# Allegro board 038RT-9068CJK8E-A100_0921.brd (continued)
## Routing (per net, layer and track width the routed paths; a pad name or vN(x,y) marks a point on that pad's centre or on a via; arc(x,y) is an arc through that point) (continued)
S3_MCT_RC: length 8.9
  L03_SIGNAL w0.145: v2(628.37,328.71) 628.7,328.37 v2(630.59,328.37) 631.15,328.93 636.06,328.93 v2(636.62,328.37)
S3_NGATE:
  vias: v1(401.3,269.42)
S3_OE_K144: length 17.3
  BOTTOM w0.115: UNK3K144.10 643.1,272.28 642.61,272.77 640.75,272.77 UNK3RL18.1 639.43,272.46 639.43,268.05 640.88,266.6 643.87,266.6 644.93,267.66 UNK3K144.1
S3_OE_K145: length 9.5
  L42_SIGNAL w0.203: v1(663.52,282.66) 664.7,281.48 664.7,280.79 v1(666.73,278.76)
  BOTTOM w0.115: UNK3K145.1 v1(663.52,282.66) ; UNK3K145.10 664.65,277.63 665.31,278.29 665.95,278.29 666.42,278.76 v1(666.73,278.76)
S3_OE_K184: length 14.2
  BOTTOM w0.115: UNK3K184.1 550.9,247.66 550,246.76 548.65,246.76 546.71,248.7 UNK3RL21.1 547.35,252.3 550,252.3 550.13,252.16 UNK3K184.10
S3_OE_K213: length 15.4
  BOTTOM w0.115: UNK3K213.1 442.79,249.12 441.89,248.21 440.11,248.21 438.17,250.15 438.17,252.86 UNK3RL42.1 438.55,253.75 441.88,253.75 442.02,253.62 UNK3K213.10
S3_OE_K214: length 14.1
  BOTTOM w0.115: UNK3K214.1 465,249.12 464.1,248.21 462.75,248.21 460.81,250.15 460.81,252.96 UNK3RL44.1 461.6,253.75 464.1,253.75 464.23,253.62 UNK3K214.10
S3_OE_K217: length 8.3
  BOTTOM w0.115: UNK3K217.10 549.96,268.32 549.74,268.09 549.74,267.46 549.35,267.07 UNK3RL39.1 549.08,265.2 550.47,263.82 UNK3K217.1
S3_P0_LDOOUT:
  vias: v1(402.9,267.82) v1(403.7,267.82)
S3_P0_LED: length 20.5
  L05_SIGNAL w0.102: v1(409.3,267.82) 409.7,267.42 412.92,267.42
  L05_SIGNAL w0.105: v1(428.89,269.07) 417.38,269.07 415.64,267.33 413.01,267.33 412.92,267.42
S3_P0_MDI+: length 28.8
  TOP w0.105: UNK3K60.3 379.01,264.93 379.12,264.83 381.87,264.83 383.45,266.41 383.45,269.93 385.87,272.36 395.26,272.36 397.45,274.55 399.05,274.55 399.53,274.06 399.53,273.59 SITE3.A3
S3_P0_MDI-: length 28.8
  TOP w0.105: UNK3K60.6 379.01,264.26 379.12,264.36 382.06,264.36 383.91,266.22 383.91,266.51 384.04,266.63 384.13,266.63 384.25,266.76 384.25,266.93 384.13,267.05 384.04,267.05 383.91,267.18 383.91,267.35 384.04,267.47 384.13,267.47 384.25,267.6 384.25,267.77 384.13,267.89 384.04,267.89 383.91,268.02 383.91,269.74 386.06,271.89 395.45,271.89 397.64,274.08 398.85,274.08 399.06,273.87 399.06,273.59 SITE3.A2
S3_P0_RXC: length 168.2
  L13_SIGNAL w0.102: 399.35,273.84 398.5,272.98 398.5,269.02 v1(398.1,268.62)
  L13_SIGNAL w0.105: v1(525.6,269.05) 525.73,269.05 526.83,267.95 526.83,260.59 526.29,260.06 523.64,260.06 523.03,260.67 523.03,264.05 522.27,264.8 512.46,264.8 511.68,264.02 511.68,261.13 510.91,260.37 508.67,260.37 508.07,260.96 508.07,263.12 506.55,264.65 492.51,264.65 491.17,265.98 471.38,265.98 449.74,287.62 420.92,287.62 411.52,278.22 403.73,278.22 399.35,273.84
S3_P0_RXD0: length 164.1
  L13_SIGNAL w0.102: 397.85,265.82 398.5,265.82 v1(398.9,266.22)
  L13_SIGNAL w0.105: v1(525.6,261.32) 524.36,262.56 524.36,266.17 522.85,267.68 510.52,267.68 509.87,268.33 507.83,268.33 507.31,268.85 494.58,268.85 493.82,269.6 481.14,269.6 459.42,291.32 420.26,291.32 416.93,287.99 406.21,287.99 395.64,277.42 395.64,267.85 397.67,265.82 397.85,265.82
S3_P0_RXD1: length 138.9
  L13_SIGNAL w0.105: v1(398.1,266.22) 396.23,268.09 396.23,275.2 401.47,280.44 410.67,280.44 420.35,290.12 451.41,290.12 469.62,271.91 471.01,271.91 473.98,268.95 493.55,268.95 494.23,268.26 507.07,268.26 507.81,267.53 v1(509.84,267.53)
S3_P0_RXD2: length 164.4
  L13_SIGNAL w0.102: v1(398.9,267.02) 399.3,266.62 399.3,265.15 399.17,265.02 397.83,265.02
  L13_SIGNAL w0.105: 397.83,265.02 397.24,265.02 395.07,267.2 395.07,277.98 405.83,288.75 416.75,288.75 419.93,291.93 459.98,291.93 480.77,271.14 509.09,271.14 511.82,268.4 522.98,268.4 523.85,267.53 v1(525.6,267.53)
S3_P0_RXD3: length 172.6
  L13_SIGNAL w0.105: v1(398.1,267.02) 396.81,268.3 396.81,273.81 402.62,279.62 410.89,279.62 420.79,289.52 450.56,289.52 469.26,270.82 470.8,270.82 473.33,268.29 493.2,268.29 493.8,267.68 506.83,267.68 509.1,265.42 522.58,265.42 523.61,264.39 523.61,261.1 524,260.71 526.12,260.71 526.25,260.84 526.25,267.68 525.1,268.82 525.1,269.68 526.03,270.61 526.03,274.83 v1(525.6,275.26)
S3_P0_RXDV: length 170.5
  L13_SIGNAL w0.102: v1(398.9,267.82) 399.3,267.42 399.99,267.42 400.1,267.31 400.1,264.43 399.89,264.22 397.83,264.22
  L13_SIGNAL w0.105: v1(525.6,273.73) 523.07,271.2 510.06,271.2 509.47,271.8 481.42,271.8 460.72,292.5 419.49,292.5 416.4,289.41 405.34,289.41 394.4,278.47 394.4,277.13 393.48,276.21 393.48,272.94 394.37,272.05 394.37,266.8 396.96,264.22 397.83,264.22
S3_P0_RXER: length 136.2
  L13_SIGNAL w0.102: 397.69,273.84 397.68,273.83 ; 397.68,269.7 397.7,269.68 397.7,268.22 v1(398.1,267.82)
  L13_SIGNAL w0.105: v1(509.84,261.32) 509.26,261.9 509.26,262.93 506.99,265.21 492.88,265.21 491.45,266.64 473.62,266.64 470.46,269.79 468.52,269.79 450.04,288.28 420.68,288.28 411.28,278.88 402.72,278.88 397.69,273.84 ; 397.68,273.83 397.52,273.67 397.52,269.86 397.68,269.7
S3_P0_TESTD: length 132.9
  L07_SIGNAL w0.102: v1(398.9,268.62) 398.5,269.02 398.5,272.96 399.37,273.84
  L07_SIGNAL w0.105: v1(509.84,269.05) 507.78,271.11 481.87,271.11 461.36,291.62 423.29,291.62 407.84,276.17 401.71,276.17 399.37,273.84
S3_P0_TXC: length 139.2
  L11_SIGNAL w0.102: v1(398.9,270.22) 398.5,269.82 398.5,269.11 398.41,269.02 397.85,269.02
  L11_SIGNAL w0.105: 397.85,269.02 397.78,268.95 397,268.95 395.66,270.28 395.66,275.12 399.58,279.03 402.53,279.03 413.54,290.04 481.6,290.04 493.8,277.85 508.85,277.85 510.66,276.05 510.66,274.55 v1(509.84,273.73)
S3_P0_TXD0: length 113.8
  L11_SIGNAL w0.102: v1(398.9,271.02) 398.5,270.62 397.85,270.62
  L11_SIGNAL w0.105: v1(494.08,273.73) 493.69,274.13 482.85,274.13 469.14,287.84 418.75,287.84 415.91,284.99 410.72,284.99 402.42,276.7 399.81,276.7 396.87,273.76 396.87,271.27 397.52,270.62 397.85,270.62
S3_P0_TXD1: length 122.6
  L11_SIGNAL w0.105: v1(398.1,271.02) 397.49,271.63 397.49,273.59 399.11,275.21 401.87,275.21 404.31,277.65 425.66,277.65 427.94,279.94 472.61,279.94 480.73,271.82 506.41,271.82 v1(509.84,275.26)
S3_P0_TXD2: length 138.4
  L11_SIGNAL w0.102: 399.68,273.84 399.3,273.46 399.3,272.22 v1(398.9,271.82)
  L11_SIGNAL w0.105: v1(525.6,262.84) 524.91,262.15 496.99,262.15 495.57,263.58 495.57,265.56 491.68,269.44 480.92,269.44 471.88,278.48 469.2,278.48 468.44,277.73 428.25,277.73 426.68,276.15 405.23,276.15 403.13,274.05 399.89,274.05 399.68,273.84
S3_P0_TXD3: length 124.1
  L11_SIGNAL w0.102: 398.8,273.84 398.5,273.54 398.5,272.22 v1(398.1,271.82)
  L11_SIGNAL w0.105: v1(509.84,262.84) 509.71,262.71 497.55,262.71 496.35,263.91 496.35,266.58 491.67,271.26 480.2,271.26 472.19,279.26 428.33,279.26 426.11,277.04 404.67,277.04 402.24,274.61 399.56,274.61 398.8,273.84
S3_P0_TXEN: length 115.9
  L11_SIGNAL w0.105: v1(494.08,275.26) 493.09,275.26 479.01,289.34 413.74,289.34 401.76,277.36 398.75,277.36 396.22,274.84 396.22,271.1 397.37,269.95 397.83,269.95 v1(398.1,270.22)
S3_P0_VDDIO: length 0.8
  BOTTOM w0.508: UNK3CD138.1 397.32,272.62 v1(398.1,272.62)
  vias: v1(393.96,275.23) v1(394.6,275.23) v1(398.1,269.42) v1(398.9,269.42)
S3_P1_LDOOUT:
  vias: v1(407.7,266.22) v1(407.7,265.42)
S3_P1_LED: length 22.8
  L03_SIGNAL w0.102: 412.92,266.62 410.5,266.62 v1(410.1,267.02)
  L03_SIGNAL w0.145: v1(432.06,266.53) 431.2,267.38 427.58,267.38 427.16,266.96 414.98,266.96 414.63,266.62 412.92,266.62
S3_P1_MDI+: length 67.1
  L03_SIGNAL w0.136: v1(400.5,272.62) 400.32,272.79 400.32,273.45 399.17,274.6 397.07,274.6 395.02,272.55 388.31,272.55 387.71,271.96 385.49,271.96 381.96,268.43 346.61,268.43 345.79,267.61 345.79,265.09 346.51,264.37 349.86,264.37 350,264.23 UNK3K64.3
S3_P1_MDI-: length 67.1
  L03_SIGNAL w0.136: v1(399.7,272.62) 399.87,272.79 399.87,273.26 398.98,274.15 397.26,274.15 395.21,272.1 394.82,272.1 394.66,271.94 394.66,271.7 394.5,271.54 394.28,271.54 394.12,271.7 394.12,271.94 393.96,272.1 393.73,272.1 393.58,271.94 393.58,271.7 393.42,271.54 393.19,271.54 393.03,271.7 393.03,271.94 392.87,272.1 392.65,272.1 392.49,271.94 392.49,271.7 392.33,271.54 392.1,271.54 391.94,271.7 391.94,271.94 391.79,272.1 388.5,272.1 387.9,271.5 385.67,271.5 382.15,267.98 346.8,267.98 346.25,267.43 346.25,265.28 346.7,264.82 349.86,264.82 350,264.96 UNK3K64.6
S3_P1_RXC: length 47.2
  L07_SIGNAL w0.102: v1(411.7,262.22) 412.1,262.62 412.1,262.62 412.9,262.62 412.92,262.64
  L07_SIGNAL w0.105: v1(440.02,284.7) 442.61,282.1 442.61,278.25 441.7,277.33 441.62,277.33 441.35,277.06 441.35,276.98 437.31,272.95 428.15,272.95 424.19,268.99 418.15,268.99 417.15,267.98 417.15,265.42 414.36,262.64 412.92,262.64
  BOTTOM w0.115: UNK3RR534.1 v1(440.02,284.7) UNK3RR524.1
S3_P1_RXD0: length 52.7
  L07_SIGNAL w0.102: v1(411.7,264.62) 410.5,265.82 410.5,273.84
  L07_SIGNAL w0.105: 410.5,273.84 411.49,274.83 423.42,274.83 429.59,281 429.59,283.79 433.38,287.59 437.54,287.59 438.36,286.76 438.36,284.38 439.49,283.26 439.49,282.22 440.02,281.7 v1(440.02,280.64)
  BOTTOM w0.115: UNK3RR530.1 v1(440.02,280.64) UNK3RR520.1
S3_P1_RXD1: length 42.3
  L07_SIGNAL w0.105: v1(436.21,284.7) 435.71,284.21 435.71,282.31 435.98,282.04 437.51,282.04 438.44,281.11 438.44,277.38 437.12,276.05 428.9,276.05 423.32,270.47 417.74,270.47 415.33,268.07 415.33,266.61 413.34,264.62 v1(412.5,264.62)
  BOTTOM w0.115: UNK3RR531.1 v1(436.21,284.7) UNK3RR521.1
S3_P1_RXD2: length 60.2
  L07_SIGNAL w0.102: v1(411.7,263.82) 411.3,264.22 409.82,264.22 409.7,264.34 409.7,273.84
  L07_SIGNAL w0.105: v1(440.02,278.61) 440.57,279.16 440.57,282.99 439.46,284.1 439.46,287.35 438.66,288.14 431.66,288.14 428.89,285.37 428.89,281.42 423.02,275.55 411.19,275.55 409.7,274.06 409.7,273.84
  BOTTOM w0.115: UNK3RR532.1 v1(440.02,278.61) UNK3RR522.1
S3_P1_RXD3: length 42.9
  L07_SIGNAL w0.105: v1(436.21,282.67) 436.71,283.17 437.57,283.17 439.45,281.3 439.45,275.86 437.21,273.63 427.35,273.63 423.52,269.8 418.12,269.8 415.89,267.58 415.89,266.38 413.5,263.98 412.66,263.98 v1(412.5,263.82)
  BOTTOM w0.115: UNK3RR523.1 v1(436.21,282.67) UNK3RR533.1
S3_P1_RXDV: length 55.5
  L07_SIGNAL w0.102: v1(411.7,263.02) 411.3,263.42 409.13,263.42 408.9,263.66 408.9,273.84
  L07_SIGNAL w0.105: 408.9,273.84 408.9,274.41 410.82,276.33 422.52,276.33 428.14,281.94 428.14,285.71 431.65,289.23 438.44,289.23 440.02,287.66 v1(440.02,286.73)
  BOTTOM w0.115: UNK3RR535.1 v1(440.02,286.73) UNK3RR525.1
S3_P1_TXC: length 187
  L11_SIGNAL w0.105: v1(586.33,241.7) 584.46,239.83 583.21,239.83 582.82,239.43 559.65,239.43 555.76,243.32 543.07,243.32 536.55,249.85 493.33,249.85 486.87,256.31 484.24,256.31 476.1,264.46 428.26,264.46 428.03,264.23 416.28,264.23 413.47,261.42 v1(412.5,261.42)
  BOTTOM w0.115: UNK3RR514.1 v1(586.33,241.7) UNK3RR504.1
S3_P1_TXD0: length 195
  L11_SIGNAL w0.105: v1(592.43,241.7) 591.17,240.45 591.17,238.79 590.5,238.12 583.86,238.12 583.51,237.77 558.37,237.77 556.72,239.43 543.56,239.43 542.05,240.93 539.87,240.93 536.55,244.25 521.24,244.25 517.33,248.16 488.74,248.16 474.17,262.74 449.73,262.74 448.93,261.93 440,261.93 438.56,260.49 427.74,260.49 427.2,259.96 414.77,259.96 414.29,259.47 412.84,259.47 v1(412.5,259.82)
  BOTTOM w0.115: UNK3RR500.1 v1(592.43,241.7) UNK3RR510.1
S3_P1_TXD1: length 193.3
  L11_SIGNAL w0.102: 412.92,260.13 412.89,260.13 412.79,260.22 412.1,260.22 v1(411.7,259.82)
  L11_SIGNAL w0.105: v1(590.4,241.7) 589.65,240.96 589.65,239.64 588.69,238.68 583.63,238.68 583.28,238.32 558.72,238.32 557.03,240.01 543.79,240.01 538.81,244.99 521.29,244.99 517.56,248.72 488.97,248.72 474.4,263.29 449.5,263.29 448.87,262.66 439.6,262.66 439.25,262.31 423.56,262.31 421.87,260.61 414.45,260.61 413.96,260.13 412.92,260.13
  BOTTOM w0.115: UNK3RR501.1 v1(590.4,241.7) UNK3RR511.1
S3_P1_TXD2: length 201.8
  L11_SIGNAL w0.105: v1(411.7,259.02) 412.25,258.47 414.44,258.47 415.26,259.29 427.75,259.29 428.05,259.58 438.64,259.58 440.33,261.27 449.05,261.27 449.96,262.18 473.94,262.18 480.63,255.48 480.63,255.02 480.63,252.09 485.11,247.61 510.72,247.61 518.07,240.26 541.44,240.26 544.27,237.43 557.68,237.43 558.54,236.57 592.64,236.57 593.27,237.19 593.27,240.51 v1(594.46,241.7)
  BOTTOM w0.115: UNK3RR502.1 v1(594.46,241.7) UNK3RR512.1
S3_P1_TXD3: length 207.1
  L11_SIGNAL w0.102: v1(410.9,259.82) 410.5,259.42 410.5,258.67 410.57,258.6
  L11_SIGNAL w0.105: 410.57,258.6 411.28,257.89 437.89,257.89 440.65,260.65 449.22,260.65 450.19,261.63 473.71,261.63 480.08,255.25 480.08,251.86 484.88,247.05 510.49,247.05 518,239.55 541.18,239.55 544.08,236.65 557.3,236.65 558.15,235.8 567.93,235.8 568.15,236.02 593.28,236.02 593.52,236.26 594.68,236.26 595.51,237.09 595.51,240.73 v1(596.49,241.7)
  BOTTOM w0.115: UNK3RR513.1 v1(596.49,241.7) UNK3RR503.1
S3_P1_TXEN: length 190.4
  L11_SIGNAL w0.102: v1(412.5,260.62) 412.5,260.65 412.61,260.76 412.92,260.76
  L11_SIGNAL w0.105: v1(588.37,241.7) 587.55,240.89 587.55,240.06 587.21,239.72 585.97,239.72 585.53,239.27 583.44,239.27 583.05,238.88 559.21,238.88 557.51,240.59 544.07,240.59 542.94,241.71 542.94,242.64 536.31,249.27 492.98,249.27 486.53,255.73 484.05,255.73 475.93,263.85 449.27,263.85 448.81,263.38 439.18,263.38 438.77,262.97 423.21,262.97 421.54,261.3 414.21,261.3 413.67,260.76 412.92,260.76
  BOTTOM w0.115: UNK3RR505.1 v1(588.37,241.7) UNK3RR515.1
S3_P1_VDDIO:
  vias: v1(410.9,262.22) v1(411.7,261.42) v1(412.5,262.22) v1(417.46,262.26) v1(418.28,261.75) v1(418.92,261.75)
S3_P2_GIGA_MDI+: length 5.6
  BOTTOM w0.105: v1(410.1,273.42) 409.93,273.59 409.93,274.21 407.43,276.71 407.43,277.32 UNK3T18.3
S3_P2_GIGA_MDI-: length 5.6
  BOTTOM w0.105: v1(409.3,273.42) 409.46,273.59 409.46,274.02 406.96,276.52 406.96,277.32 UNK3T18.4
S3_P2_LED: length 27.1
  L05_SIGNAL w0.102: 412.92,266.62 409.7,266.62 v1(409.3,267.02)
  L05_SIGNAL w0.105: 412.92,266.62 416.24,266.62 416.53,266.91 427.43,266.91 428.65,268.13 434.3,268.13 v1(435.24,269.07)
S3_P3_GIGA_MDI+: length 5.6
  BOTTOM w0.105: UNK3T23.3 414.03,277.32 414.03,276.28 411.53,273.77 411.53,273.59 v1(411.7,273.42)
S3_P3_GIGA_MDI-: length 5.6
  BOTTOM w0.105: UNK3T23.4 413.57,277.32 413.57,276.47 411.06,273.97 411.06,273.59 v1(410.9,273.42)
S3_P3_LED: length 20
  L05_SIGNAL w0.102: 412.92,265.82 409.7,265.82 v1(409.3,266.22)
  L05_SIGNAL w0.105: v1(428.89,266.53) 428.68,266.32 417.19,266.32 416.68,265.82 412.92,265.82
S3_P4_HSI+: length 160.2
  L07_SIGNAL w0.1: v1(549.97,248.74) 550.05,248.66 arc(550.13,248.61) 550.22,248.59 550.6,248.59 arc(550.79,248.56) 550.96,248.45 551.03,248.37 arc(551.14,248.21) 551.18,248.02 551.18,247.23 arc(551.14,247.03) 551.03,246.87 550.81,246.65 arc(550.65,246.54) 550.46,246.51 546.9,246.51 arc(546.38,246.61) 545.93,246.91 539.9,252.94 arc(539.86,252.97) 539.81,252.98 484.48,252.98 arc(484.1,253.05) 483.78,253.27 475.14,261.91 arc(474.76,262.16) 474.33,262.25 443.24,262.25 arc(442.5,262.1) 441.87,261.68 436.36,256.16 arc(435.89,255.85) 435.33,255.74 409.43,255.74 arc(409.24,255.78) 409.07,255.89 407.66,257.3 arc(407.55,257.46) 407.52,257.65 407.52,258.21 arc(407.51,258.29) 407.48,258.37 arc(407.45,258.42) 407.41,258.46 407.36,258.51 arc(407.33,258.55) 407.31,258.6 407.31,258.6
  L07_SIGNAL w0.102: v4(406.9,259.82) 407.15,259.57 arc(407.26,259.4) 407.3,259.21 407.3,258.67 arc(407.3,258.63) 407.31,258.6
  BOTTOM w0.105: v1(549.97,248.74) 550.07,248.64 551.57,248.64 UNK3K184.3
S3_P4_HSI-: length 160.2
  L07_SIGNAL w0.1: v1(549.97,248.08) 550.05,248.16 arc(550.13,248.21) 550.22,248.23 550.6,248.23 arc(550.65,248.22) 550.7,248.19 550.77,248.12 arc(550.8,248.07) 550.81,248.02 550.81,247.23 arc(550.8,247.17) 550.77,247.13 550.55,246.91 arc(550.51,246.88) 550.46,246.87 546.9,246.87 arc(546.51,246.95) 546.19,247.16 540.16,253.19 arc(540,253.3) 539.81,253.34 537.62,253.34 arc(537.51,253.36) 537.41,253.42 537.4,253.44 arc(537.31,253.5) 537.2,253.52 537.02,253.52 arc(536.91,253.5) 536.81,253.44 536.8,253.42 arc(536.71,253.36) 536.6,253.34 536.41,253.34 arc(536.31,253.36) 536.21,253.42 536.2,253.44 arc(536.11,253.5) 536,253.52 535.81,253.52 arc(535.7,253.5) 535.61,253.44 535.6,253.42 arc(535.5,253.36) 535.4,253.34 535.21,253.34 arc(535.1,253.36) 535.01,253.42 535,253.44 arc(534.9,253.5) 534.79,253.52 534.61,253.52 arc(534.5,253.5) 534.41,253.44 534.4,253.42 arc(534.3,253.36) 534.19,253.34 534.01,253.34 arc(533.9,253.36) 533.81,253.42 533.8,253.44 arc(533.7,253.5) 533.59,253.52 533.41,253.52 arc(533.3,253.5) 533.21,253.44 533.2,253.42 arc(533.1,253.36) 532.99,253.34 532.81,253.34 arc(532.7,253.36) 532.61,253.42 532.6,253.44 arc(532.5,253.5) 532.39,253.52 532.21,253.52 arc(532.1,253.5) 532.01,253.44 532,253.42 arc(531.9,253.36) 531.79,253.34 531.61,253.34 arc(531.5,253.36) 531.41,253.42 531.39,253.44 arc(531.3,253.5) 531.19,253.52 531.01,253.52 arc(530.9,253.5) 530.81,253.44 530.79,253.42 arc(530.7,253.36) 530.59,253.34 530.41,253.34 arc(530.3,253.36) 530.21,253.42 530.19,253.44 arc(530.1,253.5) 529.99,253.52 529.81,253.52 arc(529.7,253.5) 529.61,253.44 529.59,253.42 arc(529.5,253.36) 529.39,253.34 529.21,253.34 arc(529.1,253.36) 529.01,253.42 528.99,253.44 arc(528.89,253.5) 528.78,253.53 528.62,253.53 arc(528.51,253.5) 528.41,253.44 528.39,253.42 arc(528.3,253.36) 528.19,253.34 528.01,253.34 arc(527.9,253.36) 527.81,253.42 527.79,253.44 arc(527.68,253.52) 527.54,253.54 527.46,253.54 arc(527.32,253.52) 527.21,253.44 527.19,253.42 arc(527.1,253.36) 526.99,253.34 526.81,253.34 arc(526.7,253.36) 526.6,253.42 526.59,253.44 arc(526.48,253.51) 526.35,253.54 526.25,253.54 arc(526.12,253.51) 526,253.44 525.99,253.42 arc(525.9,253.36) 525.79,253.34 525.61,253.34 arc(525.5,253.36) 525.4,253.42 525.39,253.44 arc(525.28,253.51) 525.14,253.54 525.05,253.54 arc(524.92,253.51) 524.8,253.44 524.79,253.42 arc(524.7,253.36) 524.59,253.34 524.41,253.34 arc(524.3,253.36) 524.2,253.42 524.19,253.44 arc(524.08,253.51) 523.94,253.54 523.85,253.54 arc(523.72,253.51) 523.6,253.44 523.59,253.42 arc(523.5,253.36) 523.39,253.34 523.2,253.34 arc(523.1,253.36) 523,253.42 522.99,253.44 arc(522.87,253.52) 522.73,253.54 522.66,253.54 arc(522.52,253.52) 522.4,253.44 522.39,253.42 arc(522.29,253.36) 522.19,253.34 522,253.34 arc(521.89,253.36) 521.8,253.42 521.79,253.44 arc(521.67,253.52) 521.53,253.55 521.46,253.55 arc(521.32,253.52) 521.2,253.44 521.19,253.42 arc(521.09,253.36) 520.98,253.34 520.8,253.34 arc(520.69,253.36) 520.6,253.42 520.59,253.44 arc(520.47,253.52) 520.33,253.55 520.26,253.55 arc(520.12,253.52) 520,253.44 519.99,253.42 arc(519.89,253.36) 519.78,253.34 519.6,253.34 arc(519.49,253.36) 519.4,253.42 519.39,253.44 arc(519.27,253.52) 519.13,253.54 519.06,253.54 arc(518.92,253.52) 518.8,253.44 518.79,253.42 arc(518.69,253.36) 518.58,253.34 484.48,253.34 arc(484.24,253.39) 484.04,253.52 475.39,262.17 arc(474.9,262.49) 474.33,262.61 443.24,262.61 arc(442.36,262.43) 441.61,261.93 436.1,256.42 arc(435.75,256.19) 435.33,256.1 409.43,256.1 arc(409.37,256.11) 409.33,256.14 407.92,257.55 arc(407.89,257.6) 407.88,257.65 407.88,258.21 arc(407.89,258.3) 407.92,258.37 arc(407.95,258.42) 407.98,258.46 408.03,258.51 arc(408.06,258.55) 408.09,258.6
  L07_SIGNAL w0.102: v4(407.7,259.82) 407.95,259.57 arc(408.06,259.4) 408.1,259.21 408.1,258.67 arc(408.09,258.64) 408.09,258.6
  BOTTOM w0.105: UNK3K184.2 551.57,248.18 550.07,248.18 v1(549.97,248.08)
S3_P4_HSO+: length 173.5
  L05_SIGNAL w0.1: v1(548.19,250.74) 548.27,250.66 arc(548.35,250.61) 548.44,250.59 549.24,250.59 arc(549.3,250.6) 549.34,250.63 549.52,250.81 arc(549.68,250.92) 549.87,250.95 550.76,250.95 arc(550.95,250.92) 551.11,250.81 551.67,250.25 arc(551.78,250.08) 551.82,249.89 551.82,245.77 arc(551.78,245.58) 551.67,245.42 551.1,244.85 arc(550.94,244.74) 550.74,244.7 528.99,244.7 arc(528.94,244.69) 528.9,244.66 526.85,242.61 arc(526.82,242.57) 526.81,242.51 526.81,238.55 arc(526.77,238.36) 526.66,238.2 523.5,235.04 arc(523.34,234.93) 523.15,234.89 447.12,234.89 arc(445.52,235.21) 444.15,236.12 424.93,255.35 arc(424.54,255.61) 424.08,255.7 409.92,255.7 arc(409.73,255.74) 409.56,255.84 408.06,257.35 arc(407.95,257.51) 407.92,257.7 407.92,258.57 407.91,258.58 407.91,258.6
  L05_SIGNAL w0.102: v4(407.7,259.02) 407.85,258.87 arc(407.9,258.8) 407.91,258.71 407.91,258.6
  BOTTOM w0.105: v1(548.19,250.74) 548.29,250.64 551.57,250.64 UNK3K184.7
S3_P4_HSO-: length 173.5
  L05_SIGNAL w0.1: 408.28,258.6 408.28,258.58 408.28,258.57 408.28,257.7 arc(408.29,257.65) 408.32,257.6 409.82,256.1 arc(409.87,256.07) 409.92,256.06 424.08,256.06 arc(424.68,255.94) 425.19,255.6 444.41,236.38 arc(445.65,235.55) 447.12,235.26 523.15,235.26 arc(523.2,235.27) 523.25,235.3 526.4,238.45 arc(526.43,238.5) 526.44,238.55 526.44,242.51 arc(526.48,242.71) 526.59,242.87 528.64,244.92 arc(528.8,245.03) 528.99,245.06 532.54,245.06 arc(532.68,245.09) 532.79,245.17 532.8,245.18 arc(532.93,245.26) 533.07,245.29 533.12,245.29 arc(533.26,245.26) 533.39,245.18 533.4,245.17 arc(533.52,245.09) 533.65,245.06 533.74,245.06 arc(533.88,245.09) 533.99,245.17 534,245.18 arc(534.13,245.27) 534.28,245.3 534.31,245.3 arc(534.46,245.27) 534.59,245.18 534.6,245.17 arc(534.72,245.09) 534.85,245.06 534.94,245.06 arc(535.08,245.09) 535.19,245.17 535.2,245.18 arc(535.32,245.26) 535.46,245.29 535.53,245.29 arc(535.67,245.26) 535.79,245.18 535.8,245.17 arc(535.92,245.09) 536.05,245.06 536.14,245.06 arc(536.28,245.09) 536.39,245.17 536.4,245.18 arc(536.52,245.26) 536.67,245.29 536.73,245.29 arc(536.87,245.26) 536.99,245.18 537.01,245.17 arc(537.12,245.09) 537.25,245.06 537.35,245.06 arc(537.48,245.09) 537.59,245.17 537.61,245.18 arc(537.73,245.26) 537.87,245.29 537.93,245.29 arc(538.07,245.26) 538.19,245.18 538.21,245.17 arc(538.32,245.09) 538.45,245.06 538.55,245.06 arc(538.68,245.09) 538.79,245.17 538.81,245.18 arc(538.92,245.26) 539.05,245.28 539.15,245.28 arc(539.28,245.26) 539.39,245.18 539.41,245.17 arc(539.52,245.09) 539.65,245.06 539.75,245.06 arc(539.88,245.09) 539.99,245.17 540.01,245.18 arc(540.12,245.26) 540.25,245.28 540.35,245.28 arc(540.48,245.26) 540.59,245.18 540.61,245.17 arc(540.72,245.09) 540.85,245.06 540.95,245.06 arc(541.08,245.09) 541.19,245.17 541.21,245.18 arc(541.32,245.26) 541.45,245.28 541.55,245.28 arc(541.68,245.26) 541.8,245.18 541.81,245.17 arc(541.92,245.09) 542.06,245.06 542.15,245.06 arc(542.28,245.09) 542.4,245.17 542.41,245.18 arc(542.52,245.26) 542.66,245.28 542.75,245.28 arc(542.88,245.26) 543,245.18 543.01,245.17 arc(543.12,245.09) 543.26,245.06 543.35,245.06 arc(543.48,245.09) 543.6,245.17 543.61,245.18 arc(543.72,245.26) 543.86,245.28 543.95,245.28 arc(544.08,245.26) 544.2,245.18 544.21,245.17 arc(544.32,245.09) 544.46,245.06 544.55,245.06 arc(544.68,245.09) 544.8,245.17 544.81,245.18 arc(544.92,245.26) 545.06,245.28 545.15,245.28 arc(545.28,245.26) 545.4,245.18 545.41,245.17 arc(545.52,245.09) 545.66,245.06 545.75,245.06 arc(545.89,245.09) 546,245.17 546.01,245.18 arc(546.13,245.26) 546.26,245.28 546.35,245.28 arc(546.49,245.26) 546.6,245.18 546.61,245.17 arc(546.73,245.09) 546.86,245.06 546.95,245.06 arc(547.09,245.09) 547.2,245.17 547.21,245.18 arc(547.33,245.26) 547.46,245.28 547.55,245.28 arc(547.69,245.26) 547.8,245.18 547.81,245.17 arc(547.93,245.09) 548.06,245.06 548.15,245.06 arc(548.29,245.09) 548.4,245.17 548.41,245.18 arc(548.53,245.26) 548.66,245.28 548.75,245.28 arc(548.89,245.26) 549,245.18 549.01,245.17 arc(549.13,245.09) 549.26,245.06 550.74,245.06 arc(550.8,245.07) 550.84,245.1 551.41,245.68 arc(551.44,245.72) 551.45,245.77 551.45,249.89 arc(551.44,249.94) 551.41,249.99 550.85,250.55 arc(550.81,250.58) 550.76,250.59 549.87,250.59 arc(549.82,250.58) 549.77,250.55 549.6,250.38 arc(549.44,250.27) 549.24,250.23 548.44,250.23 arc(548.35,250.21) 548.27,250.16 v1(548.19,250.08)
  L05_SIGNAL w0.102: 408.28,258.6 408.28,258.71 arc(408.3,258.8) 408.34,258.87 v4(408.5,259.02)
  BOTTOM w0.105: UNK3K184.6 551.57,250.18 548.29,250.18 v1(548.19,250.08)
S3_P5_HSI+: length 155.9
  L07_SIGNAL w0.1: 409.06,258.6 409.09,258.57 arc(409.11,258.54) 409.12,258.5 409.12,258.26 arc(409.15,258.08) 409.25,257.93 409.55,257.63 arc(409.71,257.52) 409.9,257.48 424.25,257.48 arc(424.45,257.52) 424.61,257.63 427.02,260.04 arc(427.06,260.07) 427.12,260.08 437.18,260.08 arc(437.48,260.14) 437.74,260.32 442.19,264.77 arc(442.89,265.24) 443.72,265.4 477.12,265.4 arc(477.57,265.31) 477.96,265.05 481.77,261.24 arc(482.45,260.79) 483.24,260.63 491.53,260.63 arc(492.14,260.51) 492.65,260.17 493.82,258.99 arc(494.49,258.55) 495.28,258.39 537.25,258.39 arc(537.36,258.37) 537.45,258.31 537.47,258.29 arc(537.57,258.23) 537.68,258.2 537.83,258.2 arc(537.95,258.23) 538.05,258.29 538.07,258.31 arc(538.16,258.37) 538.27,258.39 538.45,258.39 arc(538.56,258.37) 538.65,258.31 538.67,258.29 arc(538.79,258.21) 538.93,258.18 538.99,258.18 arc(539.13,258.21) 539.25,258.29 539.27,258.31 arc(539.36,258.37) 539.47,258.39 539.65,258.39 arc(539.76,258.37) 539.85,258.31 539.87,258.29 arc(539.99,258.21) 540.14,258.18 540.18,258.18 arc(540.33,258.21) 540.45,258.29 540.47,258.31 arc(540.56,258.37) 540.67,258.39 540.85,258.39 arc(540.96,258.37) 541.05,258.31 541.07,258.29 arc(541.19,258.21) 541.34,258.18 541.38,258.18 arc(541.53,258.21) 541.65,258.29 541.67,258.31 arc(541.76,258.37) 541.87,258.39 542.05,258.39 arc(542.16,258.37) 542.25,258.31 542.27,258.29 arc(542.39,258.21) 542.53,258.18 542.59,258.18 arc(542.73,258.21) 542.86,258.29 542.87,258.31 arc(542.96,258.37) 543.07,258.39 544.23,258.39 arc(544.56,258.32) 544.84,258.14 547.13,255.85 arc(547.16,255.8) 547.17,255.75 547.17,255.75 547.17,253.19 arc(547.14,253.12) 547.07,253.09 546.84,253.09 arc(546.76,253.11) 546.68,253.16 v1(546.6,253.24)
  L07_SIGNAL w0.102: v4(408.5,259.82) 408.75,259.57 arc(408.86,259.4) 408.9,259.21 408.9,258.87 arc(408.92,258.77) 408.97,258.69 409.06,258.6
  BOTTOM w0.105: v1(546.6,253.24) 546.7,253.14 551.57,253.14 UNK3K184.12
